# KiCad board V1.1_XT30_version.kicad_pcb (continued)
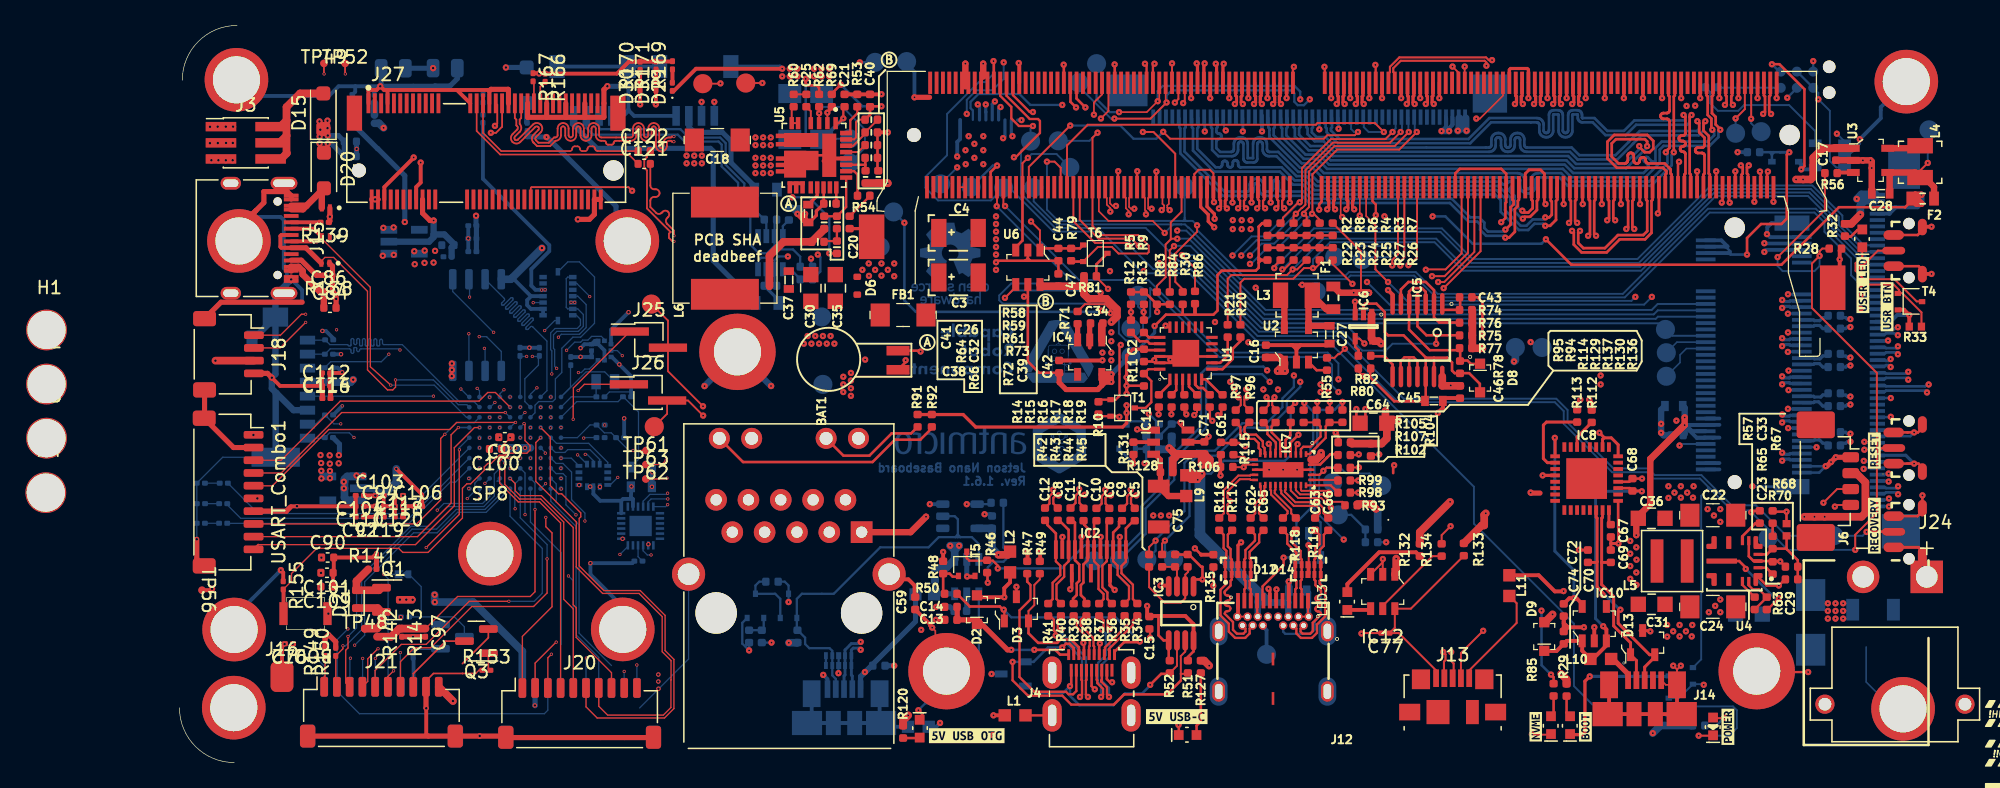
[diagram p0: board, top side]
## Routing (per net, layer and track width the routed paths; a pad name or vN(x,y) marks a point on that pad's centre or on a via; arc(x,y) is an arc through that point) (continued)
VCC_24V: length 4.5
  Top w0.6: TP48.1 14.57,10.53 R142.1 15.87,10.87 Q1.2 15.57,12.14 D21.1
VDD_MOD: length 4
  Top w0.4: v1(57.74,52.26) 58.93,52.26
  Bottom w0.3: v1(57.74,52.26) 57.74,54.26 57.16,54.84
VIN: length 15.8
  Top w0.4: v2(17.82,12.8) 17.98,12.8 18,12.79 ; 18.02,12.76 18.04,12.76 v2(18.32,12.79) 18.06,12.79
  Bottom w0.4: D18.2 25.65,54.61 v2(25.65,54.61) 25.61,54.65 ; v2(19.93,54.56) 19.92,54.55 C88.1
  Bottom w0.6: v2(20.05,13.19) 20.05,12.62 v2(20.06,12.61) 23.07,12.61 26.94,8.74 26.94,6.65
  vias: v1(49.05,32.91) v1(49.35,33.51) v1(49.65,32.91) v1(49.85,54.51) v1(49.85,53.91) v1(49.95,33.51) v1(50.25,32.91) v1(50.45,54.51) v1(50.45,53.91) v1(50.55,33.51) v1(50.85,32.91) v1(51.05,54.51) v1(51.05,53.91) v1(51.15,33.51) v1(51.45,32.91) v1(129.5,12.51) v1(129.5,11.91) v1(129.5,11.31) v1(130.1,12.51) v1(130.1,11.91) v1(130.1,11.31) v1(130.7,12.51) v1(130.7,11.91) v1(130.7,11.31) v2(17.32,12.8)
#PWR_BUTTON: length 4.6
  Top w0.2: M1.240 63.73,46.4 v1(64.23,46.9)
  Bottom w0.18: TP13.1 63.89,46.9 v1(64.23,46.9)
#RECOVERY: length 78
  Top w0.15: M1.214 70.23,42.53 71.93,40.83 74.43,40.83 v1(74.65,40.61)
  Top w0.2: 134.67,18.15 132.56,18.15 v1(132.54,18.12)
  Bottom w0.15: 74.73,40.53 76.5,38.76 79.45,38.76 84.7,33.51 91.25,33.51 96.17,28.59 108.16,28.59 109.05,27.7 109.05,26.71 112.65,23.11 115.37,23.11 115.89,22.59 119.56,22.59 121.94,20.21 123.84,20.21 126.24,17.82 TP21.1 132.23,17.82 v1(132.54,18.12)
#RESET: length 168.6
  Top w0.15: v1(91.55,32.51) 91.12,32.08 91.03,32.08 90.74,31.8 R55.2 ; R71.2 71.13,36.01 72.75,36.01 73.15,35.61 v1(73.15,35.31) ; RST1.2 133.75,24.71 133.35,24.31 133.35,24.11 ; v1(125.55,39.71) 129.26,43.43 R56.2 ; 133.35,24.11 133.35,30.61 128.25,35.71 128.25,39.21 v1(128.85,39.81) 128.85,40.17 129.06,40.38 129.61,40.38 ; 133.35,24.11 133.35,19.6 131.65,17.9 v1(131.65,16.71)
  Top w0.2: v1(123.48,19.66) 123.43,19.77 124.06,19.77 ; M1.239 63.98,55.08 v1(63.95,55.11)
  In3_SIGNAL.Cu w0.15: v1(73.15,35.31) 75.75,37.91 v1(75.75,38.61)
  Bottom w0.15: 120.1,21.51 120.25,21.51 120.27,21.49 ; 120.1,21.51 120.02,21.44 ; 120.1,21.51 120.1,21.66 ; 65.2,45.16 TP10.1 63.75,44.16 59.6,44.16 58.6,45.16 58.6,46.01 60.3,47.71 60.3,50.96 62.8,53.46 63.3,53.46 63.95,54.11 v1(63.95,55.11) ; 65.2,45.16 65.15,45.21 ; 65.2,45.16 68.65,41.71 72.43,41.71 75.53,38.61 v1(75.75,38.61) 75.92,38.44 79.32,38.44 84.6,33.16 90.9,33.16 v1(91.55,32.51) 95.75,28.31 108.05,28.31 108.75,27.61 108.75,26.61 112.55,22.81 115.28,22.81 115.78,22.31 119.45,22.31 120.1,21.66 ; 120.02,21.44 119.55,20.96 119.55,8.11 T2.1 ; 120.02,21.44 120.17,21.59 ; v1(125.55,39.71) 125.55,39.01 125.95,38.61 128.45,38.61 128.85,39.01 v1(128.85,39.81) ; v1(131.65,16.71) 126.35,16.71 125.42,17.64 TP20.1 124.8,18.36 123.45,19.71 v1(123.48,19.66) 123.26,19.81 121.95,19.81 120.27,21.49 ; 120.27,21.49 120.17,21.59 ; 120.1,21.66 120.17,21.59
#SHUTDOWN_REQ: length 66
  Top w0.18: M1.233 65.48,52.43 66.8,51.11 v1(67.05,51.11)
  Top w0.2: 98.73,33.57 100.61,33.57 ; 98.73,33.57 97.96,33.57 97.26,34.27 IC5.4 ; 98.73,33.57 v1(98.73,32.9)
  In2.Cu w0.15: 70.65,46.21 70.65,46.01 ; 70.65,46.21 70.62,46.18 70.52,46.18 ; 70.65,46.21 70.65,46.36 ; 70.65,46.01 70.65,46.04 70.52,46.18 ; 70.65,46.01 70.65,41.11 73.1,38.66 v1(73.1,38.61) ; 70.65,46.36 70.65,47.91 67.45,51.11 v1(67.05,51.11) ; 70.65,46.36 70.65,46.31 70.52,46.18 ; 70.52,46.18 61.68,46.18 v1(61.1,46.76)
  In3_SIGNAL.Cu w0.15: v1(76.99,39.23) 75.32,39.23 74.03,37.94 73.78,37.94 v1(73.1,38.61)
  Bottom w0.15: v1(76.99,39.23) 77.11,39.11 79.55,39.11 84.8,33.86 91.42,33.86 92.91,32.37 94.77,32.37 95.3,32.9 v1(98.73,32.9) ; v1(61.1,46.76) TP11.1
/CSI/CAM0_SCL: length 35.4
  Top w0.15: 87.52,42.37 87.52,42.93 v1(87.71,43.11) 87.71,43.12 88.16,43.56 88.19,43.56 88.46,43.83 88.46,46.54 90.62,48.71 95.1,48.71 95.94,49.54 v1(95.94,49.54) ; v1(77.92,27.36) 77.94,27.38 77.94,27.93
  In5_3V3_SYS_SIGNAL.Cu w0.15: v1(77.92,27.36) 77.92,28.24 79.05,29.36 79.05,35.39 83.41,39.76 v1(83.41,39.84)
  Bottom w0.15: v1(87.71,43.11) 85.64,41.04 84.62,41.04 v1(83.41,39.84) ; 96.04,50.62 96.04,49.67 95.94,49.57
/CSI/CAM0_SDA: length 37
  Top w0.15: v1(95.3,49.54) 94.74,48.98 90.46,48.98 88.18,46.7 88.18,44.19 v1(88.01,44.01) 87.9,44.01 86.69,42.81 86.69,42.57 86.5,42.37 ; v1(76.92,27.36) 76.94,27.38 76.94,27.93
  In5_3V3_SYS_SIGNAL.Cu w0.15: v1(82.73,39.84) 82.73,39.63 78.59,35.49 78.59,29.51 76.92,27.85 v1(76.92,27.36)
  Bottom w0.15: v1(88.01,44.01) 87.97,44.01 85.29,41.34 84.23,41.34 v1(82.73,39.84) ; 95.3,49.57 95.3,49.58 95.54,49.82 95.54,50.62
/CSI/CAM1_SCL: length 35.8
  Top w0.15: 89.58,42.37 89.58,42.64 89.1,43.11 v1(88.98,43.11) 89.01,43.14 89.01,46.21 90.95,48.16 95.82,48.16 97.21,49.54 v1(97.21,49.54) ; 79.94,27.93 79.94,27.53 v1(79.72,27.3)
  In5_3V3_SYS_SIGNAL.Cu w0.15: v1(84.1,39.18) 80.16,35.24 80.16,29.02 79.72,28.58 v1(79.72,27.3)
  Bottom w0.15: v1(88.98,43.11) 88.98,43.11 86.36,40.49 85.5,40.49 84.18,39.18 v1(84.1,39.18) ; 97.19,49.53 97.04,49.68 97.04,50.62
/CSI/CAM1_SDA: length 35.3
  Top w0.15: 88.55,42.37 88.55,42.9 88.34,43.11 v1(88.34,43.11) 88.34,43.24 88.73,43.63 88.73,46.43 90.74,48.43 95.46,48.43 96.57,49.54 v1(96.57,49.54) ; v1(79.1,27.36) 78.94,27.51 78.94,27.93
  In5_3V3_SYS_SIGNAL.Cu w0.15: v1(79.1,27.36) 79.1,28.59 79.75,29.24 79.75,35.49 v1(84.1,39.84)
  Bottom w0.15: v1(88.34,43.11) 88.34,43.11 86,40.77 85.03,40.77 84.1,39.84 v1(84.1,39.84) ; 96.54,50.62 96.54,49.57 96.57,49.54
/CSI/CAM2_SCL: length 69.3
  Top w0.15: v1(86.01,38.85) 86.01,38.99 86.5,39.48
  Top w0.2: v1(81.59,27.29) 81.78,27.29 81.85,27.36 81.85,27.93
  In5_3V3_SYS_SIGNAL.Cu w0.15: v1(81.59,27.29) 81.7,27.41 81.7,33.11 86.01,37.42 v1(86.01,38.85)
  Bottom w0.15: v1(86.01,38.85) 89.12,41.97 99.17,41.97 101.58,39.56 114.54,39.56 119.61,44.63 120.32,45.34 128.28,45.34 130.64,42.97 130.64,42.33 132.34,40.64 133.25,40.64
/CSI/CAM2_SDA: length 70.9
  Top w0.15: 87.53,39.48 86.79,38.75 v1(86.64,38.75)
  Top w0.2: v1(81.14,26.85) 80.94,27.05 80.94,27.93
  In5_3V3_SYS_SIGNAL.Cu w0.15: v1(86.64,38.75) 86.64,37.55 82.1,33.01 82.1,26.86 81.9,26.66 81.33,26.66 v1(81.14,26.85)
  Bottom w0.15: 133.25,40.14 132.45,40.14 130.37,42.22 130.37,42.86 128.17,45.06 120.46,45.06 120.39,44.98 120.39,44.98 114.66,39.25 101.5,39.25 99.06,41.69 89.59,41.69 v1(86.64,38.75)
/CSI/CAM3_SCL: length 63.1
  Top w0.15: 88.55,39.48 87.81,38.75 v1(87.45,38.75) 87,38.3 82.64,38.3 82.35,38.01 R21.1
  Bottom w0.15: 133.25,39.64 132.56,39.64 130.09,42.11 130.09,42.75 128.05,44.79 120.58,44.79 114.74,38.95 100.94,38.95 98.73,41.16 89.87,41.16 v1(87.45,38.75)
/CSI/CAM3_SDA: length 62.5
  Top w0.15: 89.58,39.48 89.58,39.19 89.23,38.85 v1(89.05,38.85) 88.34,38.85 87.51,38.01 83.65,38.01 83.35,37.71 R20.1
  Bottom w0.15: v1(89.05,38.85) 89.05,39.53 90.4,40.88 98.6,40.88 100.84,38.64 114.83,38.64 120.69,44.51 127.94,44.51 129.82,42.63 129.82,41.99 132.69,39.12 J2.39 ; 133.25,39.14 132.69,39.14
/CSI/CAM_I2C_SCL: length 22.9
  Top w0.2: v1(71.17,51.47) 70.48,52.17 70.48,53.4 ; R9.2 75.77,35.42 v1(75.74,35.39) 75.77,35.37 R13.2
  In2.Cu w0.15: v1(71.17,51.47) 71.37,51.27 71.37,41.69 74.05,39.01 74.05,37.09 v1(75.74,35.39)
  Bottom w0.15: v1(75.74,35.39) 75.31,35.82 75.31,36.7
/CSI/CAM_I2C_SDA: length 22.5
  Top w0.2: 69.98,53.4 70,53.38 70,51.91 v1(70.44,51.47) ; R12.2 v1(74.75,35.39) R5.2
  In2.Cu w0.15: v1(74.75,35.39) 73.65,36.5 73.65,38.91 70.99,41.57 70.99,50.91 v1(70.44,51.47)
  Bottom w0.15: v1(74.75,35.39) 74.75,34.11 TP6.1
/CSI/CSI_A_CLK_N: length 43.3
  Top w0.21: M1.10 123.23,46.19 123.14,46.28 123.14,46.77 v1(123.29,46.92)
  In3_SIGNAL.Cu w0.138: 134.88,33.58 134.7,33.76 134.44,33.76 133.89,34.31 133.89,42.73 133.07,43.54 130.68,43.54 130.59,43.55 130.51,43.58 130.44,43.62 130.38,43.68 130.34,43.76 130.31,43.84 130.3,43.92 130.3,44.08 130.3,44.11 130.29,44.14 130.27,44.17 130.25,44.19 130.22,44.21 130.19,44.22 130.16,44.22 130.13,44.22 130.1,44.21 130.08,44.19 130.05,44.17 130.04,44.14 130.03,44.11 130.02,44.08 130.02,42.84 130.01,42.76 129.99,42.68 129.94,42.6 129.88,42.54 129.81,42.5 129.73,42.47 129.65,42.46 129.6,42.46 129.52,42.47 129.44,42.5 129.36,42.54 129.3,42.6 129.26,42.68 129.23,42.76 129.22,42.84 129.22,44.08 129.22,44.11 129.21,44.14 129.19,44.17 129.17,44.19 129.14,44.21 129.11,44.22 129.08,44.22 129.05,44.22 129.02,44.21 129,44.19 128.98,44.17 128.96,44.14 128.95,44.11 128.95,44.08 128.95,42.84 128.94,42.76 128.91,42.68 128.86,42.6 128.8,42.54 128.73,42.5 128.65,42.47 128.57,42.46 128.52,42.46 128.44,42.47 128.36,42.5 128.29,42.54 128.23,42.6 128.18,42.68 128.15,42.76 128.14,42.84 128.14,44.28 128.14,44.31 128.13,44.34 128.11,44.37 128.09,44.39 128.07,44.41 128.04,44.42 128.01,44.42 127.98,44.42 127.95,44.41 127.92,44.39 127.9,44.37 127.88,44.34 127.87,44.31 127.87,44.28 127.87,42.84 127.86,42.76 127.83,42.68 127.79,42.6 127.73,42.54 127.65,42.5 127.57,42.47 127.49,42.46 127.44,42.46 127.36,42.47 127.28,42.5 127.21,42.54 127.15,42.6 127.1,42.68 127.08,42.76 127.07,42.84 127.07,43.4 127.06,43.43 127.05,43.46 127.04,43.49 127.01,43.51 126.99,43.53 126.96,43.54 126.93,43.54 126.72,43.34 126.72,43.09 126.52,42.89 126.51,42.86 126.49,42.84 126.49,42.81 126.49,42.78 126.49,42.75 126.51,42.72 126.52,42.69 126.58,42.64 126.6,42.62 126.61,42.59 126.62,42.56 126.62,42.53 126.61,42.5 126.6,42.47 126.58,42.44 126.55,42.43 126.53,42.41 126.5,42.4 126.47,42.4 126.44,42.41 126.41,42.43 126.38,42.44 126.33,42.5 126.31,42.52 126.28,42.53 126.25,42.54 126.22,42.54 126.19,42.53 126.16,42.52 126.13,42.5 125.74,42.5 125.31,42.93 125.31,43.43 125.87,44 125.87,45.58 126.28,45.99 126.28,47.1 125.69,47.69 124.9,47.69 124.81,47.7 124.72,47.73 124.65,47.77 124.58,47.84 124.53,47.92 124.5,48 124.49,48.09 124.49,48.72 124.49,48.76 124.48,48.79 124.46,48.82 124.43,48.85 124.4,48.87 124.36,48.88 124.33,48.89 124.29,48.88 124.25,48.87 124.22,48.85 124.19,48.82 124.17,48.79 124.16,48.76 124.16,48.72 124.16,48.09 124.15,48 124.12,47.92 124.07,47.84 124,47.77 123.93,47.73 123.84,47.7 123.75,47.69 123.44,47.69 123.11,47.35 123.11,47.1 v1(123.29,46.92)
  Bottom w0.21: 133.25,33.64 133.98,33.64 134.07,33.72 134.74,33.72 134.88,33.58
  vias: v1(135,33.58)
/CSI/CSI_A_CLK_P: length 43.3
  Top w0.21: M1.12 122.73,46.19 122.81,46.28 122.81,46.77 v1(122.66,46.92)
  In3_SIGNAL.Cu w0.138: 134.88,34.2 134.7,34.02 134.55,34.02 134.15,34.42 134.15,42.84 133.18,43.8 130.7,43.8 130.67,43.81 130.64,43.82 130.62,43.83 130.59,43.86 130.58,43.88 130.57,43.91 130.56,43.94 130.56,44.11 130.55,44.19 130.53,44.27 130.48,44.34 130.42,44.4 130.35,44.45 130.27,44.47 130.19,44.48 130.14,44.48 130.05,44.47 129.97,44.45 129.9,44.4 129.84,44.34 129.8,44.27 129.77,44.19 129.76,44.11 129.76,42.86 129.76,42.83 129.75,42.8 129.73,42.78 129.71,42.76 129.68,42.74 129.65,42.73 129.62,42.73 129.59,42.73 129.56,42.74 129.54,42.76 129.52,42.78 129.5,42.8 129.49,42.83 129.49,42.86 129.49,44.11 129.48,44.19 129.45,44.27 129.4,44.34 129.34,44.4 129.27,44.45 129.19,44.47 129.11,44.48 129.06,44.48 128.98,44.47 128.9,44.45 128.83,44.4 128.77,44.34 128.72,44.27 128.69,44.19 128.68,44.11 128.68,42.86 128.68,42.83 128.67,42.8 128.65,42.78 128.63,42.76 128.6,42.74 128.58,42.73 128.55,42.73 128.51,42.73 128.49,42.74 128.46,42.76 128.44,42.78 128.42,42.8 128.41,42.83 128.41,42.86 128.41,44.31 128.4,44.39 128.37,44.47 128.32,44.54 128.26,44.6 128.19,44.65 128.11,44.67 128.03,44.68 127.98,44.68 127.9,44.67 127.82,44.65 127.75,44.6 127.69,44.54 127.64,44.47 127.61,44.39 127.61,44.31 127.61,42.86 127.6,42.83 127.59,42.8 127.57,42.78 127.55,42.76 127.53,42.74 127.5,42.73 127.47,42.73 127.44,42.73 127.41,42.74 127.38,42.76 127.36,42.78 127.34,42.8 127.33,42.83 127.33,42.86 127.33,43.43 127.32,43.51 127.29,43.59 127.25,43.66 127.19,43.72 127.12,43.77 127.04,43.8 126.95,43.8 126.82,43.8 126.46,43.44 126.46,43.19 126.03,42.76 125.84,42.76 125.57,43.03 125.57,43.33 126.14,43.89 126.14,45.47 126.54,45.88 126.54,47.21 125.8,47.95 124.93,47.95 124.89,47.95 124.85,47.96 124.82,47.98 124.79,48.01 124.77,48.04 124.76,48.08 124.76,48.12 124.76,48.74 124.75,48.83 124.72,48.92 124.67,49 124.6,49.06 124.53,49.11 124.44,49.14 124.35,49.15 124.3,49.15 124.21,49.14 124.12,49.11 124.05,49.06 123.98,49 123.93,48.92 123.9,48.83 123.89,48.74 123.89,48.12 123.89,48.08 123.88,48.04 123.86,48.01 123.83,47.98 123.8,47.96 123.76,47.95 123.73,47.95 123.33,47.95 122.85,47.46 122.85,47.1 v1(122.66,46.92)
  Bottom w0.21: 133.25,34.14 133.98,34.14 134.07,34.06 134.74,34.06 134.88,34.2
  vias: v1(135,34.2)
/CSI/CSI_A_D0_N: length 43.5
  Top w0.21: M1.4 124.73,46.37 v1(124.79,46.43)
  In3_SIGNAL.Cu w0.138: v1(135,32.08) 134.82,32.26 133.91,32.26 133.25,32.92 133.25,38.92 133.24,38.94 133.24,38.96 133.23,38.97 133.21,38.99 133.19,39 133.17,39.01 133.15,39.01 133,39.01 132.93,39.02 132.85,39.04 132.79,39.08 132.74,39.14 132.7,39.2 132.67,39.27 132.67,39.34 132.67,39.54 132.67,39.61 132.7,39.68 132.74,39.75 132.79,39.8 132.85,39.84 132.93,39.86 133,39.87 133.15,39.87 133.17,39.87 133.19,39.88 133.21,39.89 133.23,39.91 133.24,39.93 133.24,39.94 133.25,39.97 133.25,40.72 132.66,41.31 132.55,41.31 132.47,41.32 132.39,41.35 132.32,41.39 132.26,41.45 132.21,41.52 132.18,41.6 132.18,41.69 132.18,42.2 132.17,42.24 132.16,42.26 132.14,42.29 132.12,42.31 132.1,42.33 132.07,42.34 132.04,42.34 132.01,42.34 131.98,42.33 131.95,42.31 131.93,42.29 131.91,42.26 131.9,42.24 131.9,42.2 131.9,40.56 131.89,40.47 131.86,40.39 131.82,40.32 131.76,40.26 131.69,40.22 131.61,40.19 131.52,40.18 131.47,40.18 131.39,40.19 131.31,40.22 131.24,40.26 131.18,40.32 131.13,40.39 131.11,40.47 131.1,40.56 131.1,42.3 131.09,42.34 131.08,42.36 131.07,42.39 131.05,42.41 131.02,42.43 130.99,42.44 130.96,42.44 130.93,42.44 130.9,42.43 130.87,42.41 130.85,42.39 130.83,42.36 130.82,42.34 130.82,42.3 130.82,40.56 130.81,40.47 130.78,40.39 130.74,40.32 130.68,40.26 130.61,40.22 130.53,40.19 130.44,40.18 130.4,40.18 130.31,40.19 130.23,40.22 130.16,40.26 130.1,40.32 130.06,40.39 130.03,40.47 130.02,40.56 130.02,41.8 130.02,41.82 130.01,41.84 130,41.86 129.98,41.87 129.97,41.88 129.95,41.89 129.93,41.89 129.84,41.89 129.82,41.89 129.8,41.88 129.78,41.87 129.76,41.86 129.75,41.84 129.75,41.82 129.74,41.8 129.74,40.56 129.73,40.47 129.71,40.39 129.66,40.32 129.6,40.26 129.53,40.22 129.45,40.19 129.37,40.18 129.32,40.18 129.23,40.19 129.15,40.22 129.08,40.26 129.02,40.32 128.98,40.39 128.95,40.47 128.94,40.56 128.94,41.8 128.94,41.82 128.93,41.84 128.92,41.86 128.91,41.87 128.89,41.88 128.87,41.89 128.85,41.89 128.76,41.89 128.74,41.89 128.72,41.88 128.7,41.87 128.69,41.86 128.67,41.84 128.67,41.82 128.67,41.8 128.67,40.56 128.66,40.47 128.63,40.39 128.58,40.32 128.52,40.26 128.45,40.22 128.37,40.19 128.29,40.18 128.24,40.18 128.16,40.19 128.08,40.22 128.01,40.26 127.95,40.32 127.9,40.39 127.87,40.47 127.86,40.56 127.86,41.17 127.86,41.2 127.85,41.23 127.83,41.26 127.81,41.28 127.78,41.3 127.76,41.31 127.73,41.31 127.25,41.31 127.22,41.31 127.18,41.3 127.16,41.28 127.13,41.25 127.11,41.23 127.1,41.19 127.1,41.16 127.1,41.12 127.1,41.09 127.08,41.06 127.07,41.03 127.04,41.01 127.01,40.99 126.98,40.98 126.95,40.97 126.92,40.98 126.88,40.99 126.86,41.01 126.83,41.03 126.81,41.06 126.8,41.09 126.8,41.12 126.8,41.16 126.8,41.19 126.78,41.23 126.77,41.25 126.74,41.28 126.71,41.3 126.68,41.31 126.65,41.31 125.72,41.31 124.33,42.71 124.33,44.78 125.56,46.01 125.56,46.57 125.33,46.79 124.68,46.79 124.61,46.72 124.61,46.61 v1(124.79,46.43)
  Bottom w0.21: 133.25,32.14 133.98,32.14 134.07,32.22 134.86,32.22 v1(135,32.08)
/CSI/CSI_A_D0_P: length 42.3
  Top w0.21: M1.6 124.23,46.37 v1(124.16,46.43)
  In3_SIGNAL.Cu w0.138: v1(135,32.7) 134.82,32.52 134.02,32.52 133.51,33.03 133.51,38.94 133.5,39.01 133.48,39.08 133.44,39.15 133.38,39.2 133.32,39.24 133.25,39.26 133.17,39.27 133.02,39.27 133,39.27 132.98,39.28 132.96,39.29 132.95,39.31 132.94,39.33 132.93,39.34 132.93,39.37 132.93,39.52 132.93,39.54 132.94,39.56 132.95,39.57 132.96,39.59 132.98,39.6 133,39.61 133.02,39.61 133.17,39.61 133.25,39.62 133.32,39.64 133.38,39.68 133.44,39.74 133.48,39.8 133.5,39.87 133.51,39.94 133.51,40.83 132.77,41.57 132.58,41.57 132.55,41.58 132.52,41.59 132.49,41.6 132.47,41.63 132.45,41.65 132.44,41.68 132.44,41.71 132.44,42.23 132.43,42.31 132.4,42.39 132.36,42.46 132.3,42.52 132.22,42.57 132.14,42.6 132.06,42.61 132.01,42.61 131.93,42.6 131.85,42.57 131.78,42.52 131.72,42.46 131.67,42.39 131.65,42.31 131.64,42.23 131.64,40.58 131.63,40.55 131.62,40.52 131.61,40.49 131.58,40.47 131.56,40.46 131.53,40.45 131.5,40.44 131.47,40.45 131.44,40.46 131.41,40.47 131.39,40.49 131.37,40.52 131.36,40.55 131.36,40.58 131.36,42.33 131.35,42.41 131.32,42.49 131.28,42.56 131.22,42.62 131.15,42.67 131.07,42.7 130.98,42.71 130.94,42.71 130.85,42.7 130.77,42.67 130.7,42.62 130.64,42.56 130.6,42.49 130.57,42.41 130.56,42.33 130.56,40.58 130.55,40.55 130.54,40.52 130.53,40.49 130.51,40.47 130.48,40.46 130.45,40.45 130.42,40.44 130.39,40.45 130.36,40.46 130.33,40.47 130.31,40.49 130.3,40.52 130.29,40.55 130.28,40.58 130.28,41.82 130.27,41.89 130.25,41.97 130.21,42.03 130.16,42.08 130.09,42.12 130.02,42.15 129.95,42.16 129.82,42.16 129.74,42.15 129.67,42.12 129.61,42.08 129.55,42.03 129.51,41.97 129.49,41.89 129.48,41.82 129.48,40.58 129.48,40.55 129.47,40.52 129.45,40.49 129.43,40.47 129.4,40.46 129.37,40.45 129.34,40.44 129.31,40.45 129.28,40.46 129.26,40.47 129.23,40.49 129.22,40.52 129.21,40.55 129.2,40.58 129.2,41.82 129.2,41.89 129.17,41.97 129.13,42.03 129.08,42.08 129.01,42.12 128.94,42.15 128.87,42.16 128.74,42.16 128.66,42.15 128.59,42.12 128.53,42.08 128.48,42.03 128.44,41.97 128.41,41.89 128.4,41.82 ; 128.4,40.58 128.4,40.55 128.39,40.52 128.37,40.49 128.35,40.47 128.32,40.46 128.29,40.45 128.26,40.44 128.23,40.45 128.2,40.46 128.18,40.47 128.16,40.49 128.14,40.52 128.13,40.55 128.13,40.58 128.13,41.2 128.12,41.28 128.09,41.36 128.04,41.43 127.98,41.49 127.91,41.54 127.83,41.56 127.75,41.57 125.83,41.57 124.59,42.81 124.59,44.67 125.82,45.9 125.82,46.68 125.44,47.06 124.57,47.06 124.35,46.83 124.35,46.61 v1(124.16,46.43)
  Bottom w0.21: v1(135,32.7) 134.86,32.56 134.07,32.56 133.98,32.64 133.25,32.64
/CSI/CSI_A_D1_N: length 43.4
  Top w0.21: v1(121.79,43.99) 121.73,44.05 M1.16
  In3_SIGNAL.Cu w0.138: v1(121.79,43.99) 121.61,44.17 121.61,44.43 121.85,44.67 122.55,44.67 122.83,44.38 122.83,43.39 123.6,42.62 123.6,38.98 124.4,38.17 125.19,38.17 125.22,38.17 125.25,38.16 125.27,38.14 125.3,38.12 125.31,38.09 125.32,38.06 125.33,38.03 125.33,37.63 125.33,37.55 125.36,37.47 125.41,37.4 125.47,37.34 125.54,37.29 125.62,37.26 125.7,37.25 125.75,37.25 125.83,37.26 125.91,37.29 125.99,37.34 126.05,37.4 126.09,37.47 126.12,37.55 126.13,37.63 126.13,38.95 126.13,38.98 126.14,39.01 126.16,39.04 126.18,39.06 126.21,39.07 126.23,39.08 126.27,39.09 126.3,39.08 126.33,39.07 126.35,39.06 126.37,39.04 126.39,39.01 126.4,38.98 126.4,38.95 126.4,37.63 126.41,37.55 126.44,37.47 126.49,37.4 126.55,37.34 126.62,37.29 126.7,37.26 126.78,37.25 126.83,37.25 126.91,37.26 126.99,37.29 127.06,37.34 127.12,37.4 127.17,37.47 127.2,37.55 127.21,37.63 127.21,38.95 127.21,38.98 127.22,39.01 127.24,39.04 127.26,39.06 127.28,39.07 127.31,39.08 127.34,39.09 127.37,39.08 127.4,39.07 127.43,39.06 127.45,39.04 127.47,39.01 127.48,38.98 127.48,38.95 127.48,37.63 127.49,37.55 127.52,37.47 127.56,37.4 127.62,37.34 127.7,37.29 127.78,37.26 127.86,37.25 127.91,37.25 127.99,37.26 128.07,37.29 128.14,37.34 128.2,37.4 128.25,37.47 128.27,37.55 128.28,37.63 128.28,38.95 128.29,38.98 128.3,39.01 128.31,39.04 128.34,39.06 128.36,39.07 128.39,39.08 128.42,39.09 128.45,39.08 128.48,39.07 128.51,39.06 128.53,39.04 128.55,39.01 128.56,38.98 128.56,38.95 128.56,37.63 128.57,37.55 128.6,37.47 128.64,37.4 128.7,37.34 128.77,37.29 128.85,37.26 128.94,37.25 128.98,37.25 129.07,37.26 129.15,37.29 129.22,37.34 129.28,37.4 129.32,37.47 129.35,37.55 129.36,37.63 129.36,38.95 129.36,38.98 129.38,39.01 129.39,39.04 129.41,39.06 129.44,39.07 129.47,39.08 129.5,39.09 129.53,39.08 129.56,39.07 129.59,39.06 129.61,39.04 129.62,39.01 129.63,38.98 129.64,38.95 129.64,37.63 129.65,37.55 129.67,37.47 129.72,37.4 129.78,37.34 129.85,37.29 129.93,37.26 130.02,37.25 130.06,37.25 130.15,37.26 130.23,37.29 130.3,37.34 130.36,37.4 130.4,37.47 130.43,37.55 130.44,37.63 ; v1(134.43,31.08) 134.25,31.26 133.38,31.26 133.21,31.42 133.19,31.44 133.16,31.46 133.13,31.46 133.1,31.46 133.07,31.46 133.04,31.44 133.02,31.42 132.98,31.38 132.95,31.36 132.92,31.35 132.89,31.34 132.86,31.34 132.83,31.35 132.8,31.36 132.78,31.38 132.76,31.4 132.75,31.43 132.74,31.46 132.74,31.49 132.75,31.52 132.76,31.55 132.78,31.58 132.82,31.62 132.84,31.64 132.86,31.67 132.86,31.7 132.86,31.73 132.86,31.76 132.84,31.79 132.82,31.81 132.59,32.04 132.59,37.72 132.14,38.17 131.09,38.17 131.01,38.18 130.93,38.21 130.86,38.25 130.8,38.31 130.75,38.38 130.73,38.46 130.72,38.55 130.72,38.7 130.71,38.73 130.7,38.76 130.69,38.79 130.67,38.81 130.64,38.82 130.61,38.83 130.58,38.84 130.58,38.84 130.55,38.83 130.52,38.82 130.49,38.81 130.47,38.79 130.45,38.76 130.44,38.73 130.44,38.7 130.44,37.63
  Bottom w0.21: 133.25,31.14 133.98,31.14 134.07,31.22 134.29,31.22 v1(134.43,31.08)
/CSI/CSI_A_D1_P: length 43.4
  Top w0.21: v1(121.16,43.99) 121.23,44.05 M1.18
  In3_SIGNAL.Cu w0.138: v1(121.16,43.99) 121.35,44.17 121.35,44.54 121.74,44.93 122.66,44.93 123.09,44.49 123.09,43.5 123.86,42.73 123.86,39.09 124.51,38.43 125.21,38.43 125.29,38.42 125.37,38.4 125.45,38.35 125.51,38.29 125.55,38.22 125.58,38.14 125.59,38.06 125.59,37.65 125.59,37.62 125.6,37.6 125.62,37.57 125.64,37.55 125.67,37.53 125.7,37.52 125.73,37.52 125.76,37.52 125.79,37.53 125.81,37.55 125.83,37.57 125.85,37.6 125.86,37.62 125.86,37.65 125.86,38.97 125.87,39.06 125.9,39.14 125.95,39.21 126.01,39.27 126.08,39.31 126.16,39.34 126.24,39.35 126.29,39.35 126.37,39.34 126.45,39.31 126.52,39.27 126.58,39.21 126.63,39.14 126.66,39.06 126.67,38.97 126.67,37.65 126.67,37.62 126.68,37.6 126.7,37.57 126.72,37.55 126.74,37.53 126.77,37.52 126.8,37.52 126.84,37.52 126.86,37.53 126.89,37.55 126.91,37.57 126.93,37.6 126.94,37.62 126.94,37.65 126.94,38.97 126.95,39.06 126.98,39.14 127.02,39.21 127.08,39.27 127.16,39.31 127.24,39.34 127.32,39.35 127.37,39.35 127.45,39.34 127.53,39.31 127.6,39.27 127.66,39.21 127.71,39.14 127.73,39.06 127.74,38.97 127.74,37.65 127.75,37.62 127.76,37.6 127.77,37.57 127.8,37.55 127.82,37.53 127.85,37.52 127.88,37.52 127.91,37.52 127.94,37.53 127.97,37.55 127.99,37.57 128.01,37.6 128.02,37.62 128.02,37.65 128.02,38.97 128.03,39.06 128.06,39.14 128.1,39.21 128.16,39.27 128.23,39.31 128.31,39.34 128.4,39.35 128.44,39.35 128.53,39.34 128.61,39.31 128.68,39.27 128.74,39.21 128.79,39.14 128.81,39.06 128.82,38.97 128.82,37.65 128.83,37.62 128.84,37.6 128.85,37.57 128.87,37.55 128.9,37.53 128.93,37.52 128.96,37.52 128.99,37.52 129.02,37.53 129.05,37.55 129.07,37.57 129.08,37.6 129.09,37.62 129.1,37.65 129.1,38.97 129.11,39.06 129.14,39.14 129.18,39.21 129.24,39.27 129.31,39.31 129.39,39.34 129.48,39.35 129.52,39.35 129.61,39.34 129.69,39.31 129.76,39.27 129.82,39.21 129.86,39.14 129.89,39.06 129.9,38.97 129.9,37.65 129.9,37.62 129.91,37.6 129.93,37.57 129.95,37.55 129.98,37.53 130.01,37.52 130.04,37.52 130.07,37.52 130.1,37.53 130.12,37.55 130.15,37.57 130.16,37.6 130.17,37.62 130.18,37.65 130.18,38.72 130.19,38.81 130.22,38.89 130.26,38.96 130.32,39.02 130.39,39.06 130.47,39.09 130.55,39.1 130.6,39.1 130.69,39.09 130.77,39.06 130.84,39.02 130.9,38.96 130.94,38.89 130.97,38.81 130.98,38.72 130.98,38.57 130.98,38.54 130.99,38.51 131.01,38.48 131.03,38.46 131.06,38.45 131.09,38.44 131.12,38.43 132.25,38.43 132.86,37.83 132.86,32.15 133.49,31.52 134.25,31.52 v1(134.43,31.7)
  Bottom w0.21: v1(134.43,31.7) 134.29,31.56 134.07,31.56 133.98,31.64 133.25,31.64
/CSI/CSI_B_D0_N: length 43.4
  Top w0.21: v1(125.04,50.96) 124.89,51.1 124.89,52.33 124.98,52.42 M1.3
  In3_SIGNAL.Cu w0.138: v1(125.04,50.96) 124.86,51.14 124.86,51.42 124.91,51.47 126.85,51.47 128.04,50.28 128.04,49.57 128.03,49.53 128.02,49.5 128,49.46 127.97,49.44 127.94,49.42 127.9,49.4 127.86,49.4 127.84,49.4 127.8,49.39 127.77,49.38 127.73,49.36 127.71,49.33 127.69,49.3 127.67,49.26 127.67,49.22 127.67,49.18 127.69,49.15 127.71,49.11 127.73,49.09 127.77,49.07 127.8,49.05 127.84,49.05 127.86,49.05 127.9,49.04 127.94,49.03 127.97,49.01 128,48.98 128.02,48.95 128.03,48.91 128.04,48.87 128.04,45.24 128.46,44.81 128.52,44.78 133.09,44.78 134.55,43.32 134.55,41.57 134.56,41.48 134.59,41.4 134.64,41.32 134.7,41.26 134.78,41.21 134.86,41.18 134.96,41.17 135.86,41.17 135.9,41.16 135.93,41.15 135.97,41.13 135.99,41.1 136.01,41.07 136.03,41.04 136.03,41 136.03,40.96 136.01,40.93 135.99,40.89 135.97,40.87 135.93,40.85 135.9,40.83 135.86,40.83 134.96,40.83 134.86,40.82 134.78,40.79 134.7,40.74 134.64,40.68 134.59,40.6 134.56,40.51 134.55,40.42 134.55,40.37 134.56,40.28 134.59,40.2 134.64,40.12 134.7,40.06 134.78,40.01 134.86,39.98 134.96,39.97 135.86,39.97 135.9,39.96 135.93,39.95 135.97,39.93 135.99,39.9 136.01,39.87 136.03,39.84 136.03,39.8 136.03,39.76 136.01,39.73 135.99,39.69 135.97,39.67 135.93,39.65 135.9,39.63 135.86,39.63 134.96,39.63 134.86,39.62 134.78,39.59 134.7,39.54 134.64,39.48 134.59,39.4 134.56,39.31 134.55,39.22 134.55,37.15 134.56,37.06 134.59,36.97 134.64,36.89 134.7,36.83 134.78,36.78 134.86,36.75 134.96,36.74 135.56,36.74 135.6,36.74 135.63,36.72 135.66,36.7 135.69,36.68 135.71,36.64 135.72,36.61 135.73,36.57 135.72,36.53 135.71,36.5 135.69,36.47 135.66,36.44 135.63,36.42 135.6,36.41 135.56,36.4 134.96,36.4 134.86,36.39 134.78,36.36 134.7,36.31 134.64,36.25 134.59,36.17 134.56,36.09 134.55,36 134.55,35.19 135.09,34.65 135.19,34.65 135.62,34.21 135.62,31.86 135.04,31.27 135.04,30.63 135.4,30.26 135.63,30.26 v1(135.82,30.08)